# Altium PCB MODULE_CPU_MX240_V1.0.PcbDoc (part 1 of 2)
Units mm, origin at the board's own origin, x right, y up, seen from the top; angles counter-clockwise.
Board outline 87.3 x 95.5 mm, 6 copper layers (Top Layer, Layer 2, Layer 3, Layer 4, Layer 5, Bottom Layer), stack 1.509 mm thick; 378 components, 326 nets, 1905 pads, 0 vias.
Unrouted connection lines stored in the file: 1192.
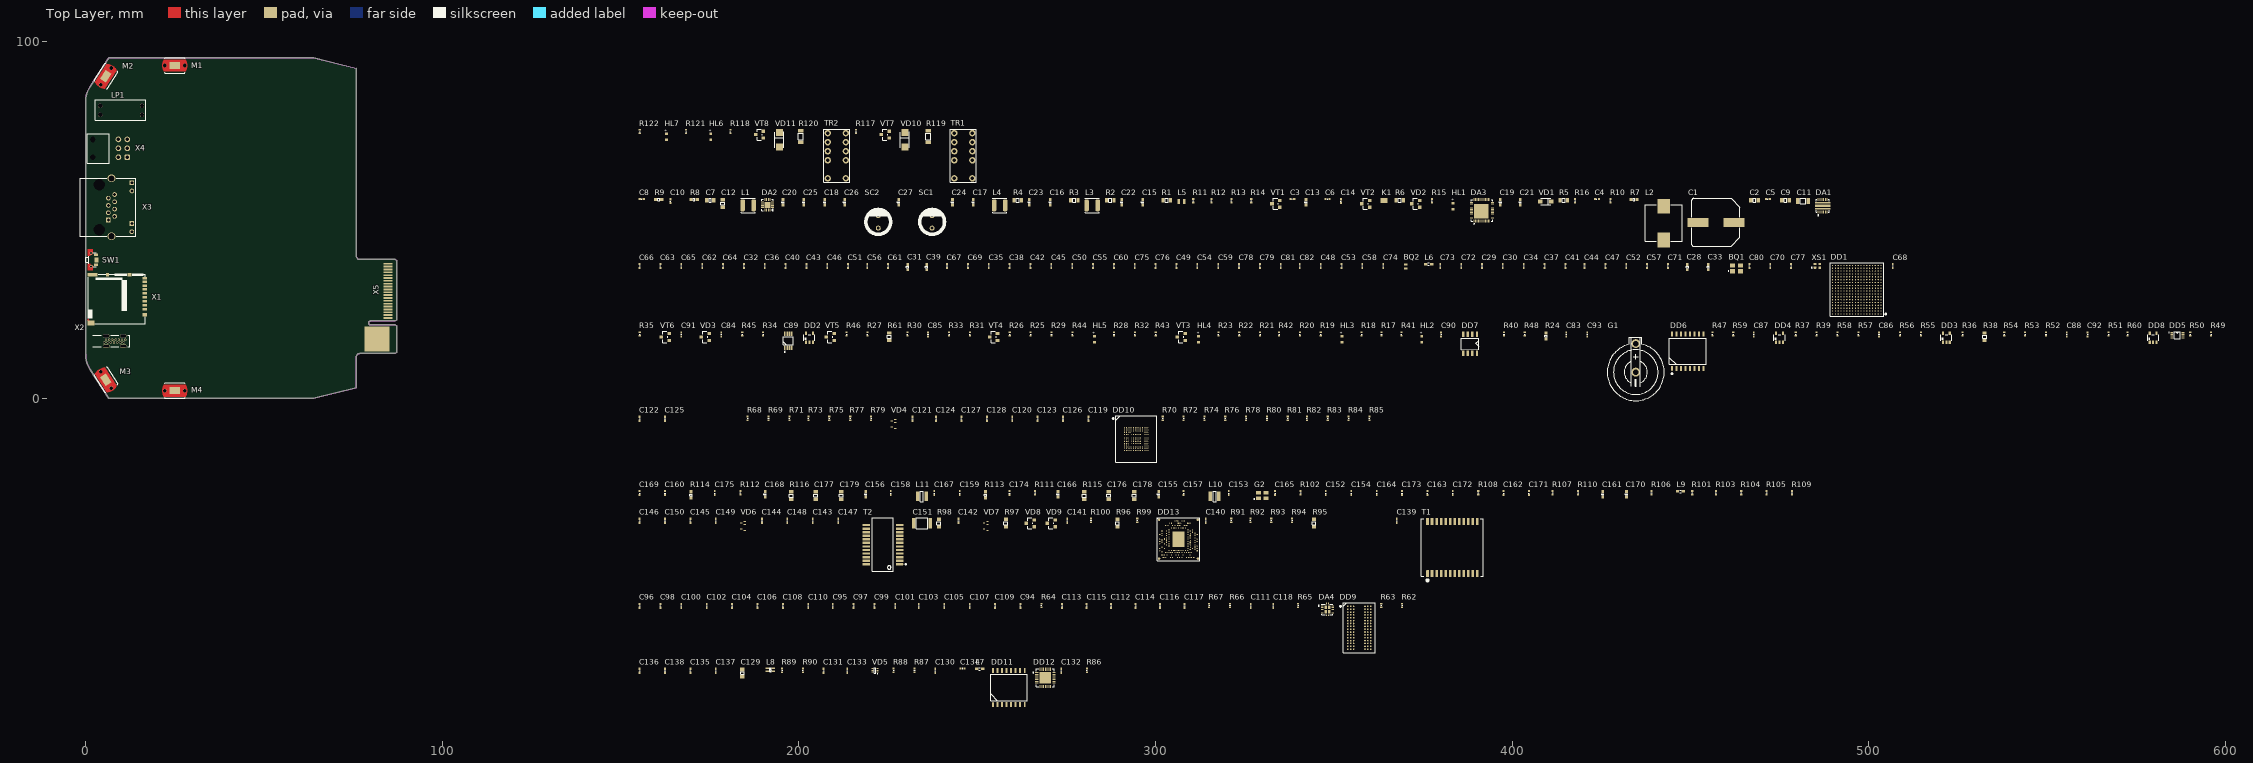
[diagram p0: Top Layer view]
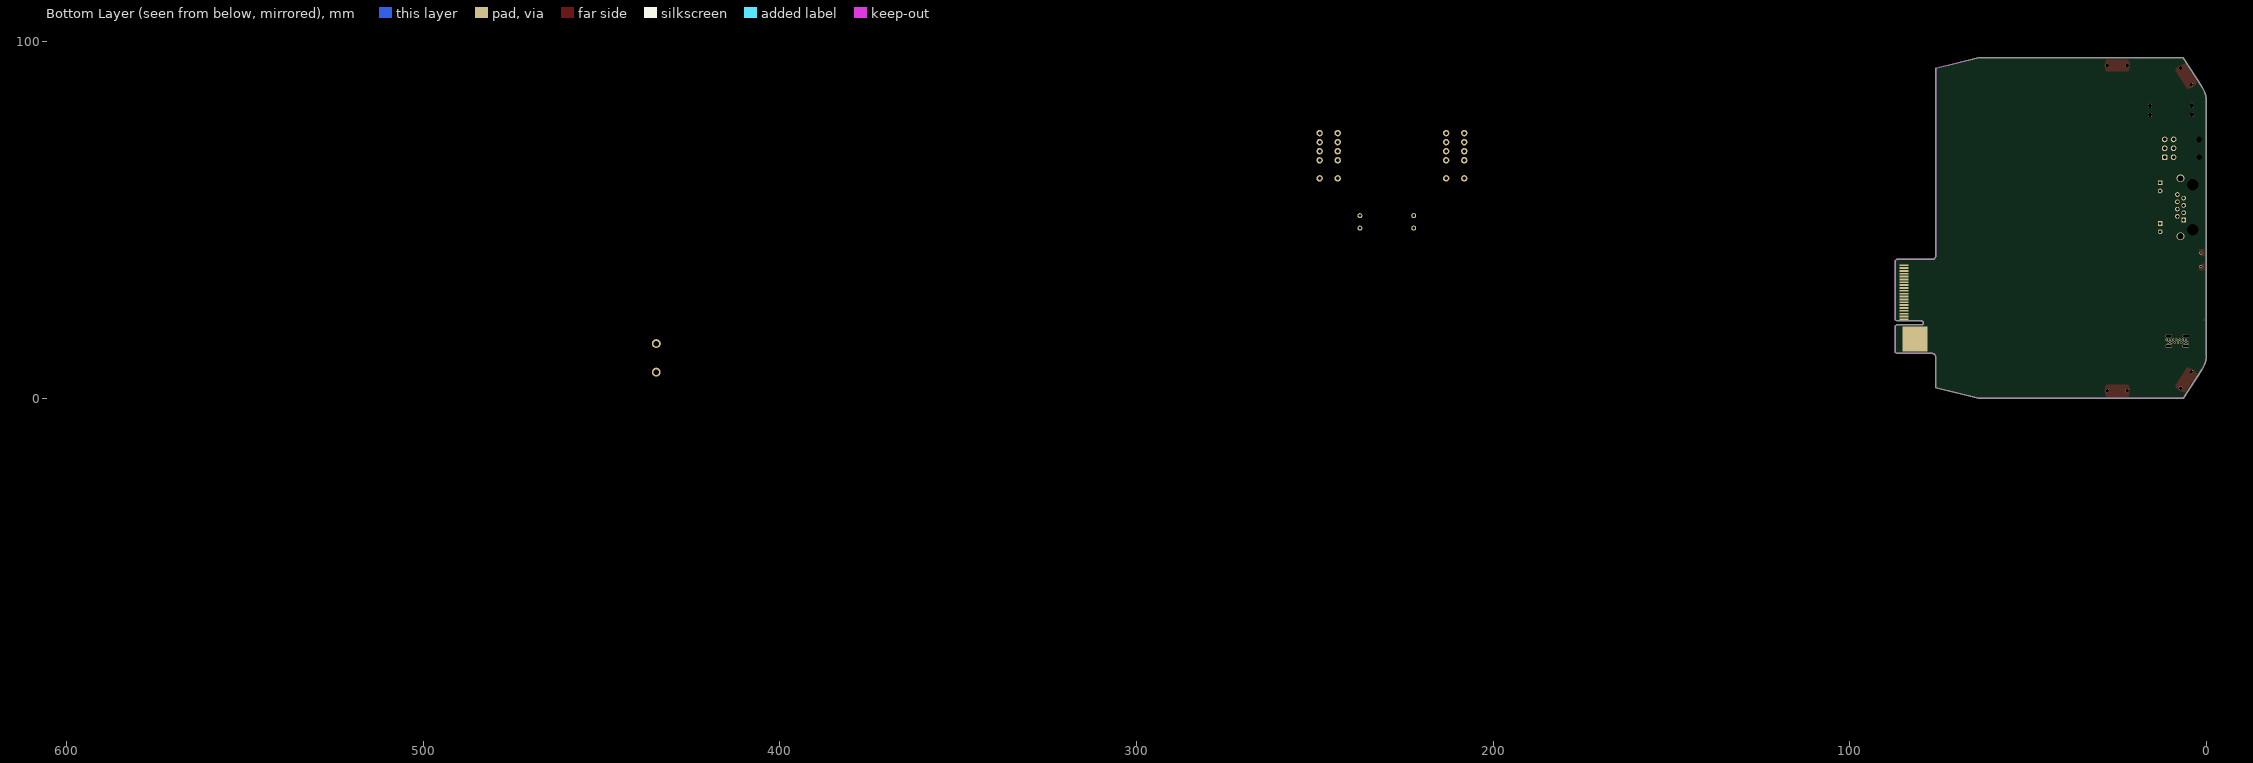
[diagram p1: Bottom Layer view, seen from below]
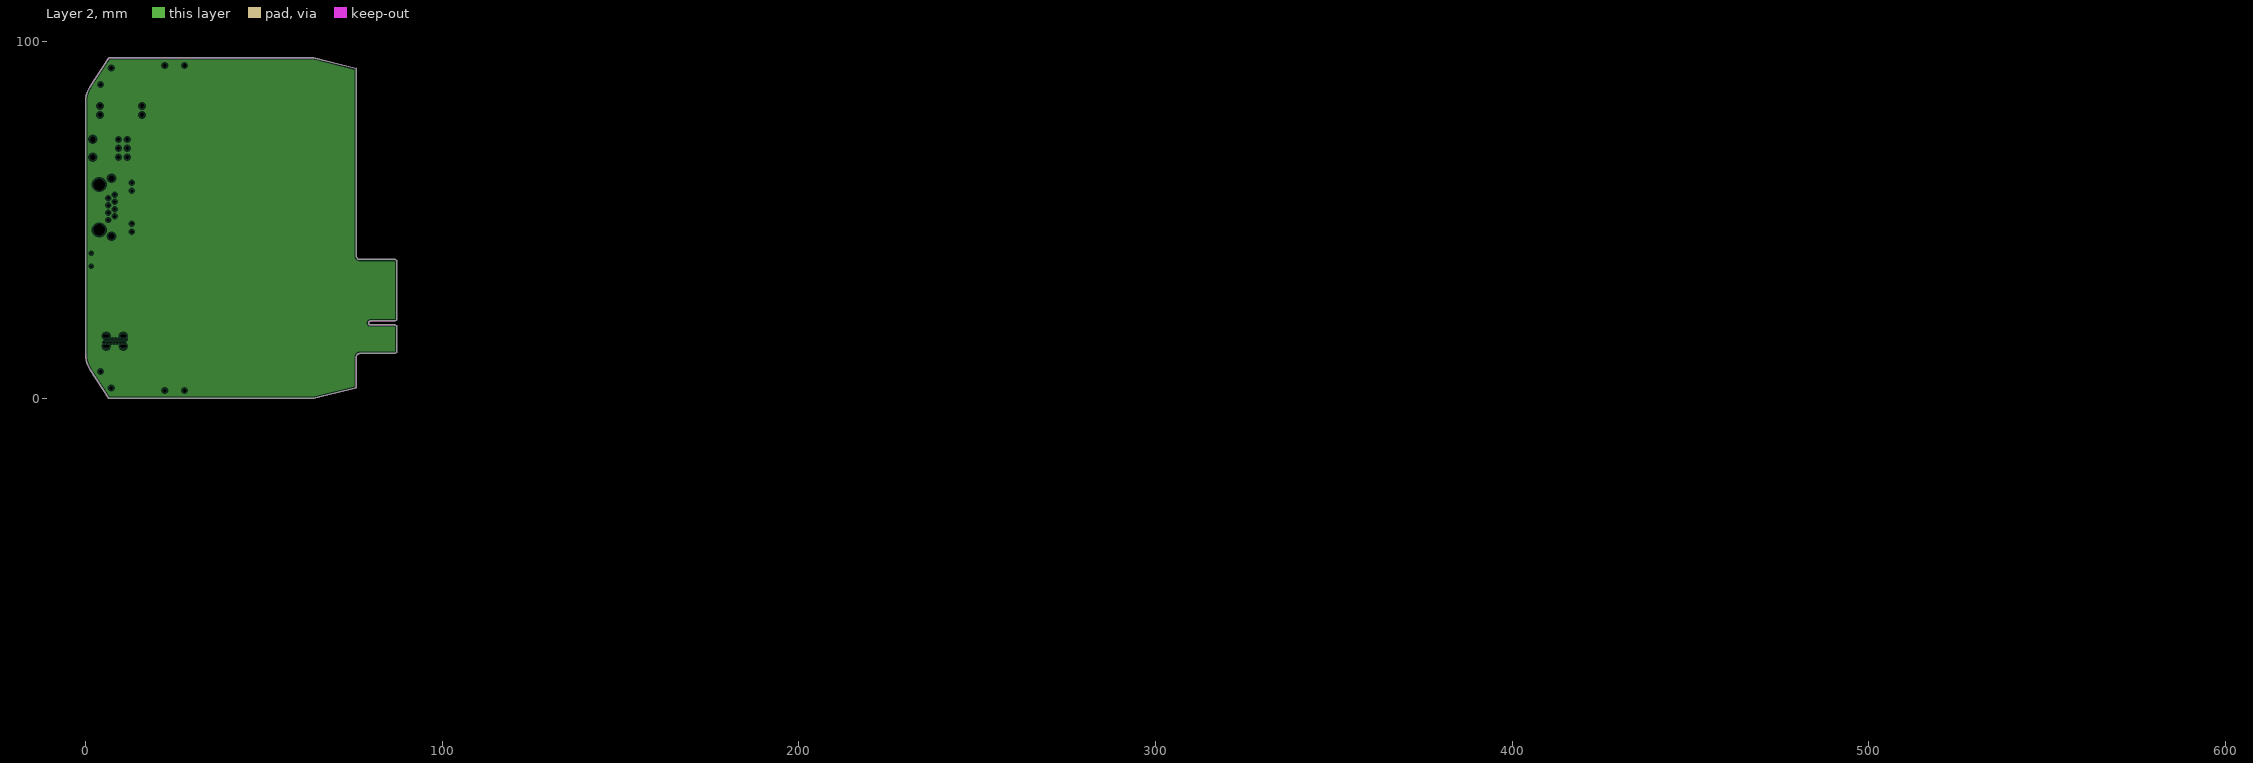
[diagram p2: Layer 2, clearances drawn from the general rule]
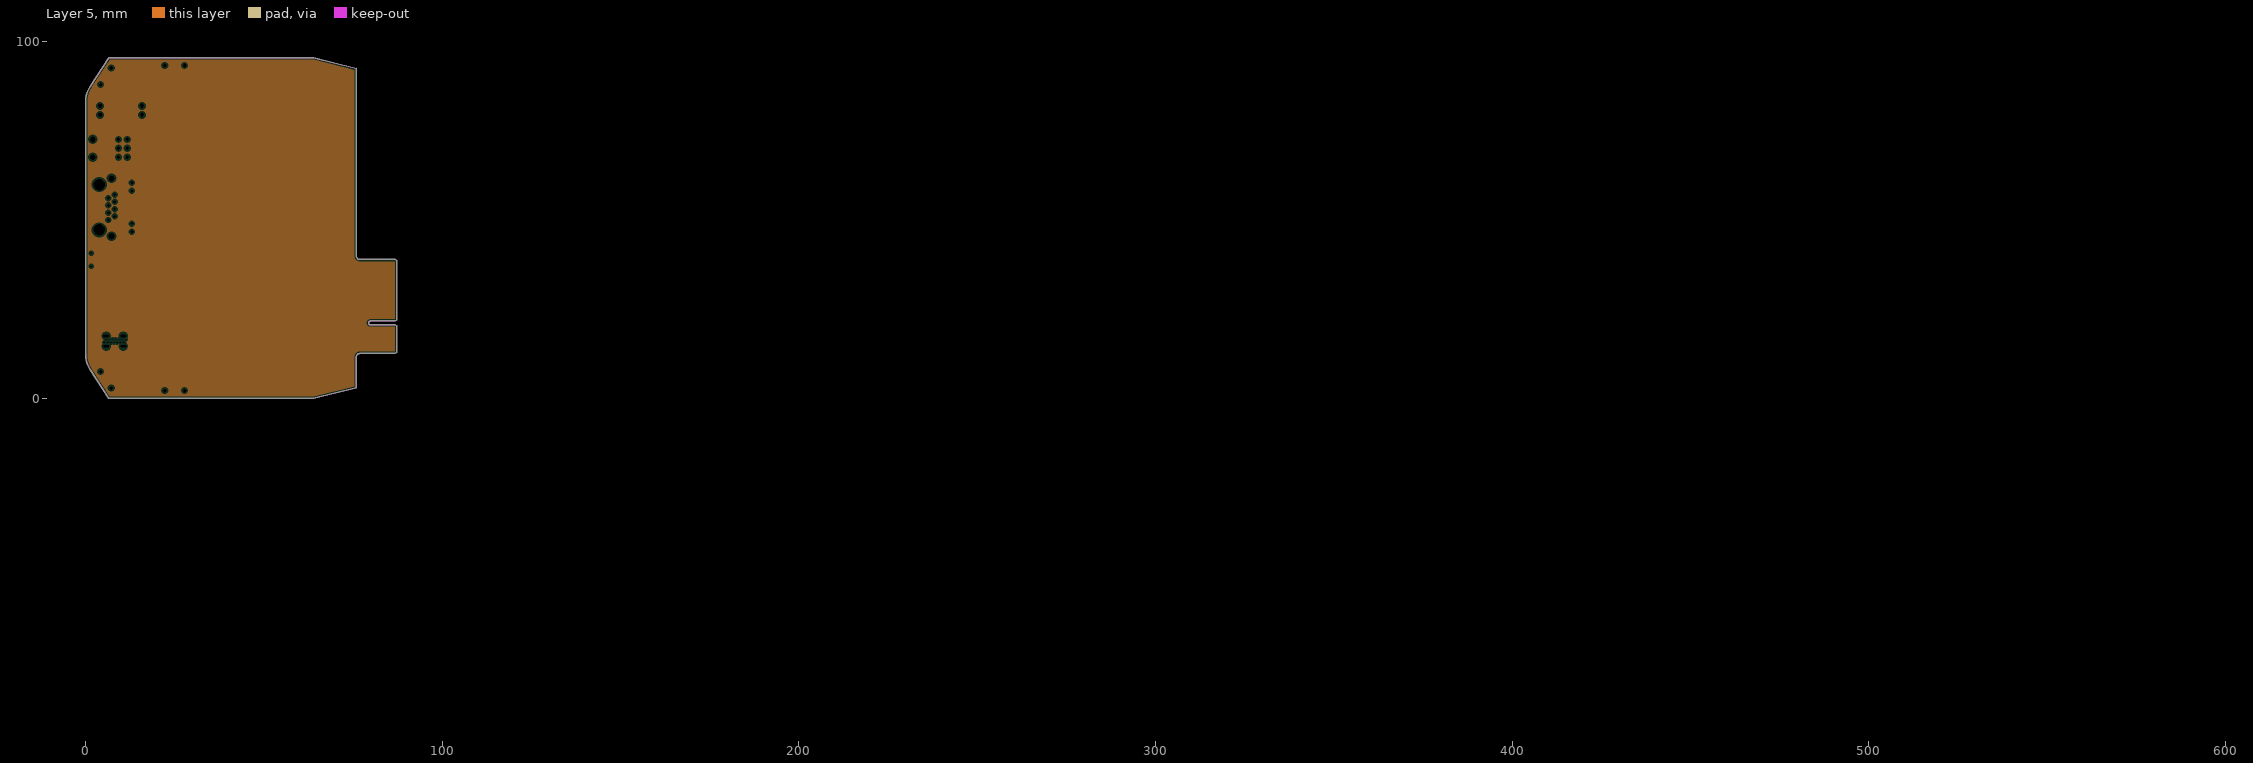
[diagram p3: Layer 5, clearances drawn from the general rule]

## Layer stack, top to bottom
Top Solder: solder mask 0.025, Solder Resist, Dk 3.5
Top Layer: signal copper 0.018
PREPREG1: prepreg 0.127, 2116, Dk 4.2
Layer 2: plane copper 0.018
CORE1: core 0.51, FR4, Dk 4.6
Layer 3: signal copper 0.018
PREPREG2: prepreg 0.127, 2116, Dk 4.2
Layer 4: signal copper 0.018
CORE2: core 0.51, FR4, Dk 4.6
Layer 5: plane copper 0.018
PREPREG3: prepreg 0.127, 2116, Dk 4.2
Bottom Layer: signal copper 0.018
Bottom Solder: solder mask 0.025, Solder Resist, Dk 3.5

## Board outline
0.473,9.668 0.211,10.55 0.053,11.457 0,12.376 0,83.124 0.053,84.043 0.211,84.95 0.473,85.832 0.835,86.679 1.291,87.478 6.5,95.5 63.9,95.5 75.9,92.5 75.9,39.95 75.925,39.727 75.999,39.516 76.118,39.327 76.277,39.168 76.466,39.049 76.677,38.975 76.9,38.95 86.8,38.95 87.3,38.65 87.3,22 86.8,21.7 79.9,21.7 79.786,21.688 79.676,21.652 79.577,21.595 79.491,21.518 79.424,21.425 79.377,21.32 79.353,21.207 79.353,21.092 79.377,20.98 79.424,20.875 79.491,20.782 79.577,20.705 79.676,20.648 79.786,20.612 79.9,20.6 86.8,20.6 87.3,20.3 87.3,12.9 86.8,12.6 76.9,12.6 76.677,12.575 76.466,12.501 76.277,12.382 76.118,12.223 75.999,12.034 75.925,11.822 75.9,11.6 75.9,3 63.9,0 6.5,0 1.291,8.022 0.835,8.821

## Design rules (kind name [scope] priority, off if disabled: settings)
Clearance [All] p1: gap=0.254 ignorepadtopadclearanceinfootprint=FALSE except(0: Arc-Hole Track-Hole SMDPad-Hole THPad-Hole Via-Hole Fill-Hole Poly-Hole Region-Hole Text-Hole)
DiffPairsRouting [All] p1: maxlimit=0.254 minlimit=0.254 mostfreqgap=0.254 toplayer_minwidth=0.381 toplayer_maxwidth=0.381 toplayer_prefwidth=0.381 midlayer1_minwidth=0.381 midlayer1_maxwidth=0.381 midlayer1_prefwidth=0.381 midlayer2_minwidth=0.381 midlayer2_maxwidth=0.381 midlayer2_prefwidth=0.381 bottomlayer_minwidth=0.381 bottomlayer_maxwidth=0.381 bottomlayer_prefwidth=0.381 maxuncoupledlength=12.7
HoleSize [All] p1: absolutevalues=TRUE maxlimit=5 minlimit=0.2 maxpercent=80.000 minpercent=20.000
PlaneClearance [All] p1: clearance=0.508
PlaneConnect [All] p1: planeconnectstyle=Relief reliefexpansion=0.508 reliefentries=4 reliefconductorwidth=0.254 reliefairgap=0.254
PolygonConnect [All] p1: connectstyle=Relief reliefconductorwidth=0.254 reliefentries=4 polygonreliefangle="90 Angle" airgapwidth=0.254
RoutingVias VIA_0.2x0.4 [All] p1: holewidth=0.2 width=0.4 viastyle="Through Hole" minholewidth=0.2 minwidth=0.4 maxholewidth=0.2 maxwidth=0.4
RoutingVias VIA_0.4x0.9 [All] p2: holewidth=0.4 width=0.9 viastyle="Through Hole" minholewidth=0.4 minwidth=0.9 maxholewidth=0.4 maxwidth=0.9
RoutingVias VIA_0.8x1.35 [All] p3: holewidth=0.8 width=1.35 viastyle="Through Hole" minholewidth=0.8 minwidth=1.35 maxholewidth=0.8 maxwidth=1.35
SolderMaskExpansion [All] p1: expansion=0.075 istentingtop=FALSE
Width [All] p1: maxlimit=0.254 minlimit=0.254 preferedwidth=0.254
26 further rules are at their usual default settings.

## Classes and differential pairs
net class PHY1_TXRX: PHY1_TXRX_A_N PHY1_TXRX_A_P PHY1_TXRX_B_N PHY1_TXRX_B_P PHY1_TXRX_C_N PHY1_TXRX_C_P PHY1_TXRX_D_N PHY1_TXRX_D_P
net class PHY0_TXRX: PHY0_TXRX_A_N PHY0_TXRX_A_P PHY0_TXRX_B_N PHY0_TXRX_B_P PHY0_TXRX_C_N PHY0_TXRX_C_P PHY0_TXRX_D_N PHY0_TXRX_D_P
net class GALVANIC: CON_N CON_P D_N D_P GND_USB NetC131_2 USB_D_N USB_D_P USB_PWR VBUS
net class ETH1_RGMII: ETH1_RX_CLK ETH1_RX_DV ETH1_RXD0 ETH1_RXD1 ETH1_RXD2 ETH1_RXD3 ETH1_TX_CLK ETH1_TX_EN ETH1_TXD0 ETH1_TXD1 ETH1_TXD2 ETH1_TXD3
net class ETH0_TXRX: ETH0_TXRX_A_N ETH0_TXRX_A_P ETH0_TXRX_B_N ETH0_TXRX_B_P ETH0_TXRX_C_N ETH0_TXRX_C_P ETH0_TXRX_D_N ETH0_TXRX_D_P
net class ETH0_RGMII: ETH0_RX_CLK ETH0_RX_DV ETH0_RXD0 ETH0_RXD1 ETH0_RXD2 ETH0_RXD3 ETH0_TX_CLK ETH0_TX_EN ETH0_TXD0 ETH0_TXD1 ETH0_TXD2 ETH0_TXD3
net class DDR_UD: DDR_D8 DDR_D9 DDR_D10 DDR_D11 DDR_D12 DDR_D13 DDR_D14 DDR_D15 DDR_DQM1 DDR_DQS1_N DDR_DQS1_P
net class DDR_LD: DDR_D0 DDR_D1 DDR_D2 DDR_D3 DDR_D4 DDR_D5 DDR_D6 DDR_D7 DDR_DQM0 DDR_DQS0_N DDR_DQS0_P
net class DDR_Dx: DDR_D0 DDR_D1 DDR_D2 DDR_D3 DDR_D4 DDR_D5 DDR_D6 DDR_D7 DDR_D8 DDR_D9 DDR_D10 DDR_D11 DDR_D12 DDR_D13 DDR_D14 DDR_D15
net class DDR_DIFF: DDR_CLK_N DDR_CLK_P DDR_DQS0_N DDR_DQS0_P DDR_DQS1_N DDR_DQS1_P
net class DDR_Ax: DDR_A0 DDR_A1 DDR_A2 DDR_A3 DDR_A4 DDR_A5 DDR_A6 DDR_A7 DDR_A8 DDR_A9 DDR_A10 DDR_A11 DDR_A12 DDR_A13 DDR_A14 DDR_A15 DDR_BA0 DDR_BA1 DDR_BA2
net class DDR_ADDR_CMD_CTRL: DDR_A0 DDR_A1 DDR_A2 DDR_A3 DDR_A4 DDR_A5 DDR_A6 DDR_A7 DDR_A8 DDR_A9 DDR_A10 DDR_A11 DDR_A12 DDR_A13 DDR_A14 DDR_A15 DDR_BA0 DDR_BA1 DDR_BA2 DDR_CASn DDR_CKE DDR_CLK_N DDR_CLK_P DDR_CSn DDR_ODT DDR_RASn DDR_WEn
net class BP_TXRX: BP_TXRX_A_N BP_TXRX_A_P BP_TXRX_B_N BP_TXRX_B_P BP_TXRX_C_N BP_TXRX_C_P BP_TXRX_D_N BP_TXRX_D_P
net class 90_Ohm_Diff: D_N D_P
differential pair USB_D: +USB_D_P -USB_D_N
differential pair RS485_AB: +RS485_AB_P -RS485_AB_N
differential pair PHY1_TXRX_D: +PHY1_TXRX_D_P -PHY1_TXRX_D_N
differential pair PHY1_TXRX_C: +PHY1_TXRX_C_P -PHY1_TXRX_C_N
differential pair PHY1_TXRX_B: +PHY1_TXRX_B_P -PHY1_TXRX_B_N
differential pair PHY1_TXRX_A: +PHY1_TXRX_A_P -PHY1_TXRX_A_N
differential pair PHY0_TXRX_D: +PHY0_TXRX_D_P -PHY0_TXRX_D_N
differential pair PHY0_TXRX_C: +PHY0_TXRX_C_P -PHY0_TXRX_C_N
differential pair PHY0_TXRX_B: +PHY0_TXRX_B_P -PHY0_TXRX_B_N
differential pair PHY0_TXRX_A: +PHY0_TXRX_A_P -PHY0_TXRX_A_N
differential pair ETH0_TXRX_D: +ETH0_TXRX_D_P -ETH0_TXRX_D_N
differential pair ETH0_TXRX_C: +ETH0_TXRX_C_P -ETH0_TXRX_C_N
differential pair ETH0_TXRX_B: +ETH0_TXRX_B_P -ETH0_TXRX_B_N
differential pair ETH0_TXRX_A: +ETH0_TXRX_A_P -ETH0_TXRX_A_N
differential pair D: +D_P -D_N
differential pair DDR_DQS1: +DDR_DQS1_P -DDR_DQS1_N
differential pair DDR_DQS0: +DDR_DQS0_P -DDR_DQS0_N
differential pair DDR_CLK: +DDR_CLK_P -DDR_CLK_N
differential pair CON: +CON_P -CON_N
differential pair CONSOLE_D: +CONSOLE_D_P -CONSOLE_D_N
differential pair BP_TXRX_D: +BP_TXRX_D_P -BP_TXRX_D_N
differential pair BP_TXRX_C: +BP_TXRX_C_P -BP_TXRX_C_N
differential pair BP_TXRX_B: +BP_TXRX_B_P -BP_TXRX_B_N
differential pair BP_TXRX_A: +BP_TXRX_A_P -BP_TXRX_A_N

## Components (designator, comment, footprint, x,y, rotation, side; value= is the part's Value field where it differs from the comment)
BQ1 "25 МГц" WE-XTAL_CFPX-180 462.944,36.461 r0 top
BQ2 "32768 Гц" WE-XTAL_IQXC-90 370.189,36.961 r90 top
C1 "220 мкФ 63 В" WCAP-ASLL_12.5x14 457.168,49.336 r0 top
C2 "22 мкФ" C0805 467.994,55.511 r0 top
C3 "4,7 нФ" C0402 338.388,55.886 r0 top
C4 "2,2 нФ" C0402 423.817,55.886 r0 top
C5 "22 нФ" C0402 471.719,55.886 r0 top
C6 "100 пФ" C0402 348.288,55.886 r0 top
C7 "22 мкФ" C0805 175.155,55.511 r0 top
C8 "0,01 мкФ" C0402 155.954,55.886 r0 top
C9 "0,1 мкФ" C0805 476.694,55.511 r0 top
C10 "0,01 мкФ" C0402 164.004,55.286 r90 top
C11 "100 мкФ" C1206 481.57,55.336 r0 top
C12 "22 мкФ" C0805 178.655,54.636 r90 top
C13 "10 мкФ" C0603 342.213,54.986 r90 top
C14 "0,1 мкФ" C0402 352.013,55.286 r90 top
C15 "10 мкФ" C0603 296.411,54.986 r90 top
C16 "10 мкФ" C0603 270.484,54.986 r90 top
C17 "10 мкФ" C0603 248.933,54.986 r90 top
C18 "10 мкФ" C0603 207.256,54.986 r90 top
C19 "10 мкФ" C0603 396.715,54.986 r90 top
C20 "10 мкФ" C0603 195.556,54.986 r90 top
C21 "10 мкФ" C0603 402.316,54.986 r90 top
C22 "10 мкФ" C0603 290.56,54.986 r90 top
C23 "10 мкФ" C0603 264.634,54.986 r90 top
C24 "10 мкФ" C0603 243.083,54.986 r90 top
C25 "10 мкФ" C0603 201.406,54.986 r90 top
C26 "10 мкФ" C0603 212.857,54.986 r90 top
C27 "10 мкФ" C0603 227.982,54.986 r90 top
C28 "10 мкФ" C0603 449.168,36.836 r90 top
C29 "0,1 мкФ" C0402 391.565,37.136 r90 top
C30 "0,1 мкФ" C0402 397.416,37.136 r90 top
C31 "10 мкФ" C0603 230.507,36.836 r90 top
C32 "0,1 мкФ" C0402 184.605,37.136 r90 top
C33 "10 мкФ" C0603 455.018,36.836 r90 top
C34 "0,1 мкФ" C0402 403.266,37.136 r90 top
C35 "0,1 мкФ" C0402 253.258,37.136 r90 top
C36 "0,1 мкФ" C0402 190.455,37.136 r90 top
C37 "0,1 мкФ" C0402 409.116,37.136 r90 top
C38 "0,1 мкФ" C0402 259.109,37.136 r90 top
C39 "10 мкФ" C0603 235.833,36.836 r90 top
C40 "0,1 мкФ" C0402 196.306,37.136 r90 top
C41 "0,1 мкФ" C0402 414.966,37.136 r90 top
C42 "0,1 мкФ" C0402 264.959,37.136 r90 top
C43 "0,1 мкФ" C0402 202.156,37.136 r90 top
C44 "0,1 мкФ" C0402 420.317,37.136 r90 top
C45 "0,1 мкФ" C0402 270.809,37.136 r90 top
C46 "0,1 мкФ" C0402 208.006,37.136 r90 top
C47 "0,1 мкФ" C0402 426.167,37.136 r90 top
C48 "0,1 мкФ" C0402 346.338,37.136 r90 top
C49 "0,1 мкФ" C0402 305.886,37.136 r90 top
C50 "0,1 мкФ" C0402 276.66,37.136 r90 top
C51 "0,1 мкФ" C0402 213.832,37.136 r90 top
C52 "0,1 мкФ" C0402 432.017,37.136 r90 top
C53 "0,1 мкФ" C0402 352.188,37.136 r90 top
C54 "0,1 мкФ" C0402 311.736,37.136 r90 top
C55 "0,1 мкФ" C0402 282.51,37.136 r90 top
C56 "0,1 мкФ" C0402 219.182,37.136 r90 top
C57 "0,1 мкФ" C0402 437.868,37.136 r90 top
C58 "0,1 мкФ" C0402 358.014,37.136 r90 top
C59 "0,1 мкФ" C0402 317.587,37.136 r90 top
C60 "0,1 мкФ" C0402 288.36,37.136 r90 top
C61 "0,1 мкФ" C0402 225.032,37.136 r90 top
C62 "0,1 мкФ" C0402 172.905,37.136 r90 top
C63 "0,1 мкФ" C0402 161.204,37.136 r90 top
C64 "0,1 мкФ" C0402 178.755,37.136 r90 top
C65 "0,1 мкФ" C0402 167.054,37.136 r90 top
C66 "0,1 мкФ" C0402 155.354,37.136 r90 top
C67 "0,1 мкФ" C0402 241.558,37.136 r90 top
C68 "0,1 мкФ" C0402 506.746,37.136 r90 top
C69 "0,1 мкФ" C0402 247.408,37.136 r90 top
C70 "22 пФ" C0402 472.394,37.136 r90 top
C71 "22 пФ" C0402 443.718,37.136 r90 top
C72 "0,1 мкФ" C0402 385.74,37.136 r90 top
C73 "22 пФ" C0402 379.89,37.136 r90 top
C74 "22 пФ" C0402 363.864,37.136 r90 top
C75 "0,1 мкФ" C0402 294.185,37.136 r90 top
C76 "0,1 мкФ" C0402 300.036,37.136 r90 top
C77 "22 пФ" C0402 478.244,37.136 r90 top
C78 "0,1 мкФ" C0402 323.437,37.136 r90 top
C79 "0,1 мкФ" C0402 329.287,37.136 r90 top
C80 "0,1 мкФ" C0402 466.544,37.136 r90 top
C81 "0,1 мкФ" C0402 335.137,37.136 r90 top
C82 "0,1 мкФ" C0402 340.488,37.136 r90 top
C83 "0,1 мкФ" C0402 415.216,17.935 r90 top
C84 "0,1 мкФ" C0402 178.255,17.935 r90 top
C85 "1 мкФ" C0402 236.233,17.935 r90 top
C86 "0,1 мкФ" C0402 502.896,17.935 r90 top
C87 "0,1 мкФ" C0402 467.794,17.935 r90 top
C88 "0,1 мкФ" C0402 555.523,17.935 r90 top
C89 "ADM3061EARMZ" MSOP-8 196.081,14.184 r90 top
C90 "0,1 мкФ" C0402 380.115,17.935 r90 top
C91 "0,1 мкФ" C0402 167.054,17.935 r90 top
C92 "0,1 мкФ" C0402 561.374,17.935 r90 top
C93 "0,1 мкФ" C0402 421.067,17.935 r90 top
C94 "0,1 мкФ" C0402 262.134,-58.169 r90 top
C95 "0,1 мкФ" C0402 209.506,-58.169 r90 top
C96 "0,1 мкФ" C0402 155.354,-58.169 r90 top
C97 "0,1 мкФ" C0402 215.357,-58.169 r90 top
C98 "0,1 мкФ" C0402 161.204,-58.169 r90 top
C99 "0,1 мкФ" C0402 221.207,-58.169 r90 top
C100 "0,1 мкФ" C0402 167.054,-58.169 r90 top
C101 "0,1 мкФ" C0402 227.057,-58.169 r90 top
C102 "0,1 мкФ" C0402 174.18,-58.169 r90 top
C103 "0,1 мкФ" C0402 233.658,-58.169 r90 top
C104 "0,1 мкФ" C0402 181.28,-58.169 r90 top
C105 "0,1 мкФ" C0402 240.783,-58.169 r90 top
C106 "0,1 мкФ" C0402 188.405,-58.169 r90 top
C107 "0,1 мкФ" C0402 247.908,-58.169 r90 top
C108 "0,1 мкФ" C0402 195.531,-58.169 r90 top
C109 "0,1 мкФ" C0402 255.034,-58.169 r90 top
C110 "0,1 мкФ" C0402 202.656,-58.169 r90 top
C111 "1000 пФ" C0402 326.712,-58.169 r90 top value="1000 пФ 0402"
C112 "10 мкФ" C0402 287.56,-58.169 r90 top
C113 "10 мкФ" C0402 273.834,-58.169 r90 top
C114 "10 мкФ" C0402 294.436,-58.169 r90 top
C115 "10 мкФ" C0402 280.71,-58.169 r90 top
C116 "10 мкФ" C0402 301.286,-58.169 r90 top
C117 "0,1 мкФ" C0402 308.161,-58.169 r90 top
C118 "10 мкФ" C0402 333.062,-58.169 r90 top
C119 "1 мкФ" C0402 281.21,-5.717 r90 top value="1 мкФ 0402"
C120 "0,1 мкФ" C0402 259.859,-5.717 r90 top
C121 "0,1 мкФ" C0402 231.882,-5.717 r90 top
C122 "10 мкФ" C0402 155.354,-5.717 r90 top
C123 "0,1 мкФ" C0402 266.959,-5.717 r90 top
C124 "0,1 мкФ" C0402 238.483,-5.717 r90 top
C125 "10 мкФ" C0402 162.479,-5.717 r90 top
C126 "10 мкФ" C0402 274.085,-5.717 r90 top
C127 "0,1 мкФ" C0402 245.608,-5.717 r90 top
C128 "10 мкФ" C0402 252.733,-5.717 r90 top
C129 "100 пФ" C0805 184.205,-77.02 r90 top
C130 "4,7 мкФ" C0402 238.233,-76.37 r90 top
C131 "0,1 мкФ" C0402 206.956,-76.37 r90 top
C132 "0,1 мкФ" C0402 273.609,-76.37 r90 top
C133 "0,1 мкФ" C0402 213.557,-76.37 r90 top
C134 "0,1 мкФ" C0402 245.933,-75.745 r0 top
C135 "4,7 мкФ" C0402 169.604,-76.37 r90 top
C136 "4,7 мкФ" C0402 155.354,-76.37 r90 top
C137 "0,1 мкФ" C0402 176.705,-76.37 r90 top
C138 "0,1 мкФ" C0402 162.479,-76.37 r90 top
C139 "0,1 мкФ" C0402 367.664,-34.318 r90 top
C140 "0,1 мкФ" C0402 314.111,-34.318 r90 top
C141 "0,1 мкФ" C0402 275.285,-34.318 r90 top
C142 "0,1 мкФ" C0402 244.783,-34.318 r90 top
C143 "0,1 мкФ" C0402 203.906,-34.318 r90 top
C144 "0,1 мкФ" C0402 189.68,-34.318 r90 top
C145 "0,1 мкФ" C0402 169.604,-34.318 r90 top
C146 "0,1 мкФ" C0402 155.354,-34.318 r90 top
C147 "0,1 мкФ" C0402 211.031,-34.318 r90 top
C148 "0,1 мкФ" C0402 196.781,-34.318 r90 top
C149 "0,1 мкФ" C0402 176.705,-34.318 r90 top
C150 "0,1 мкФ" C0402 162.479,-34.318 r90 top
C151 "150 пФ 4 кВ" C1812 234.508,-34.993 r0 top
C152 "1 мкФ" C0402 347.788,-26.568 r90 top value="1 мкФ 0402"
C153 "0,1 мкФ" C0402 320.587,-26.568 r90 top
C154 "0,1 мкФ" C0402 354.913,-26.568 r90 top
C155 "10 мкФ" C0603 300.886,-26.868 r90 top
C156 "10 мкФ" C0603 218.757,-26.868 r90 top
C157 "0,1 мкФ" C0402 307.886,-26.568 r90 top
C158 "0,1 мкФ" C0402 225.757,-26.568 r90 top
C159 "15 пФ" C0402 245.108,-26.568 r90 top
C160 "15 пФ" C0402 162.479,-26.568 r90 top
C161 "10 мкФ" C0603 425.442,-26.868 r90 top
C162 "0,1 мкФ" C0402 397.616,-26.568 r90 top
C163 "0,1 мкФ" C0402 376.264,-26.568 r90 top
C164 "0,1 мкФ" C0402 362.039,-26.568 r90 top
C165 "0,1 мкФ" C0402 333.562,-26.568 r90 top
C166 "390 пФ" C0603 272.684,-26.868 r90 top
C167 "33 пФ" C0402 237.983,-26.568 r90 top
C168 "390 пФ" C0603 190.555,-26.868 r90 top
C169 "33 пФ" C0402 155.354,-26.568 r90 top
C170 "10 мкФ" C0603 432.067,-26.868 r90 top
C171 "0,1 мкФ" C0402 404.741,-26.568 r90 top
C172 "0,1 мкФ" C0402 383.39,-26.568 r90 top
C173 "0,1 мкФ" C0402 369.139,-26.568 r90 top
C174 "0,01 мкФ" C0402 259.084,-26.568 r90 top
C175 "0,01 мкФ" C0402 176.455,-26.568 r90 top
C176 "22 мкФ" C0805 286.91,-27.243 r90 top
C177 "22 мкФ" C0805 204.781,-27.243 r90 top
C178 "22 мкФ" C0805 294.035,-27.243 r90 top
C179 "22 мкФ" C0805 211.906,-27.243 r90 top
DA1 "TPS54020RUW" PVQFN-N15 487.095,53.986 r0 top
DA2 "TLV62090RGT" PVQFN16 191.23,54.261 r0 top
DA3 "TPS65217C" PVQFN-48_TPS65217 391.565,52.736 r0 top
DA4 "TPS51200" PVSON-10 348.263,-59.194 r0 top
DD1 "AM3358BZCZA100" PBGA324 496.67,30.485 r0 top
DD2 "SN74LVC1G07DBV" SOT-23(DBV5) 202.981,17.01 r0 top
DD3 "SN74LVC1G07DBV" SOT-23(DBV5) 521.797,17.01 r0 top
DD4 "SN74LVC1G07DBV" SOT-23(DBV5) 474.994,17.01 r0 top
DD5 "SN74LVC2G125DCUT" VSSOP8 586.55,17.735 r0 top
DD6 "DS3231SN" SO16_WIDE#1 449.293,13.234 r0 top
DD7 "AT24C32E-SSHM-T" SOIC8 388.215,15.309 r0 top
DD8 "SN74LVC1G07DBV" SOT-23(DBV5) 579.774,17.01 r0 top
DD9 "K4B4G1646D-BIK0" FBGA-96 357.164,-64.319 r0 top
DD10 "THGBMAG5A1JBAWR" FBGA-153 294.611,-11.367 r0 top
DD11 "ADuM4160BRWZ" SO16_WIDE#2 258.909,-81.07 r0 top
DD12 "CP2102" QFN-28 269.134,-78.37 r0 top
DD13 "VSC8502XML-03" QFN-135 306.461,-39.468 r0 top
G1 "CH23-1220" CH23-1220 434.692,7.359 r90 top
G2 "WE-SPXO  831055678" WE-SPXO_CFPS-39 329.962,-27.218 r0 top
HL1 "WL-SMCW 150060GS84000 (зелёный)" "WL-SMCW_0603 dome" 383.465,53.911 r90 top
HL2 "WL-SMCW 150060GS84000 (зелёный)" "WL-SMCW_0603 dome" 374.664,16.585 r90 top
HL3 "WL-SMCW 150060GS84000 (зелёный)" "WL-SMCW_0603 dome" 352.288,16.585 r90 top
HL4 "WL-SMCW 150060GS84000 (зелёный)" "WL-SMCW_0603 dome" 312.111,16.585 r90 top
HL5 "WL-SMCW 150060RS86000 (красный)" "WL-SMCW_0603 dome" 282.885,16.585 r90 top
HL6 "WL-SMCW 150060GS84000 (зелёный)" "WL-SMCW_0603 dome" 175.305,73.337 r90 top
HL7 "WL-SMCW 150060GS84000 (зелёный)" "WL-SMCW_0603 dome" 162.854,73.337 r90 top
K1 "GND_DELIM" GND_DELIM 364.064,55.461 r0 top net-tie
L1 "2,2 мкГн" WE_LQSH_4020 185.805,54.111 r0 top
L2 "2,2 мкГн" WE-LHMI_1040 442.518,49.161 r90 top
L3 "2,2 мкГн" WE_LQSH_4020 282.26,54.111 r0 top
L4 "2,2 мкГн" WE_LQSH_4020 256.334,54.111 r0 top
L5 "2,2 мкГн" WE-PMCI_0805 307.286,55.236 r0 top
L6 "WE-CBF 742792625" WE-CBF_0603 376.615,37.636 r0 top
L7 "WE-CBF 742792625" WE-CBF_0603 250.708,-75.845 r0 top
L8 "WE-CNSW 744231091" WE-CNSW_0805 192.006,-76.095 r0 top
L9 "WE-CBF 742792625" WE-CBF_0603 447.218,-26.068 r0 top
L10 "10 мкГн" WE-LQS_3015 316.612,-27.493 r0 top
L11 "10 мкГн" WE-LQS_3015 234.508,-27.493 r0 top
LP1 "1296.2024" 1296.2024 9.95,80.77 r90 top locked
M1 "WP-SMRA 7466312" WP-SMRA_7466312 25,93.335 r0 top locked
M2 "WP-SMRA 7466312" WP-SMRA_7466312 5.711,90.31 r57 top locked
M3 "WP-SMRA 7466312" WP-SMRA_7466312 5.711,5.19 r123 top locked
M4 "WP-SMRA 7466312" WP-SMRA_7466312 25,2.165 r0 top locked
R1 "88,7 1%" R0805 303.136,55.536 r0 top
R2 "88,7 1%" R0805 287.31,55.536 r0 top
R3 "88,7 1%" R0805 277.21,55.536 r0 top
R4 "88,7 1%" R0805 261.384,55.536 r0 top
R5 "88K7 1%" R0805 414.516,55.536 r0 top
R6 "5K11 1%" R0805 368.514,55.536 r0 top
R7 "11К 1%" R0603 434.192,55.736 r0 top
R8 "147K 1%" R0603 170.654,55.736 r0 top
R9 "47K 1%" R0603 160.729,55.736 r0 top
R10 "1К5 1%" R0402 427.592,55.386 r90 top
R11 "2К7" R0402 310.611,55.386 r90 top
R12 "2К7" R0402 315.712,55.386 r90 top
R13 "2К7" R0402 321.287,55.386 r90 top
R14 "2К7" R0402 326.887,55.386 r90 top
R15 "2К7" R0402 377.54,55.386 r90 top
R16 "330" R0402 417.667,55.386 r90 top
R17 "10 Ом 1%" R0402 363.389,18.035 r90 top
R18 "10 Ом 1%" R0402 357.814,18.035 r90 top
R19 "10 Ом 1%" R0402 346.363,18.035 r90 top
R20 "10 Ом 1%" R0402 340.513,18.035 r90 top
R21 "10 Ом 1%" R0402 329.337,18.035 r90 top
R22 "10 Ом 1%" R0402 323.487,18.035 r90 top
R23 "10 Ом 1%" R0402 317.637,18.035 r90 top
R24 "49K9 1%" R0603 409.516,17.485 r90 top
R25 "10К" R0402 265.009,18.035 r90 top
R26 "10К" R0402 259.159,18.035 r90 top
R27 "10К" R0402 219.232,18.035 r90 top
R28 "10К" R0402 288.385,18.035 r90 top
R29 "10К" R0402 270.859,18.035 r90 top
R30 "2К7" R0402 230.432,18.035 r90 top
R31 "10К" R0402 247.958,18.035 r90 top
R32 "10К" R0402 294.235,18.035 r90 top
R33 "10К" R0402 242.133,18.035 r90 top
R34 "10К" R0402 190.005,18.035 r90 top
R35 "10К" R0402 155.404,18.035 r90 top